# Allegro board 6089-103-RevB_76.brd (continued)
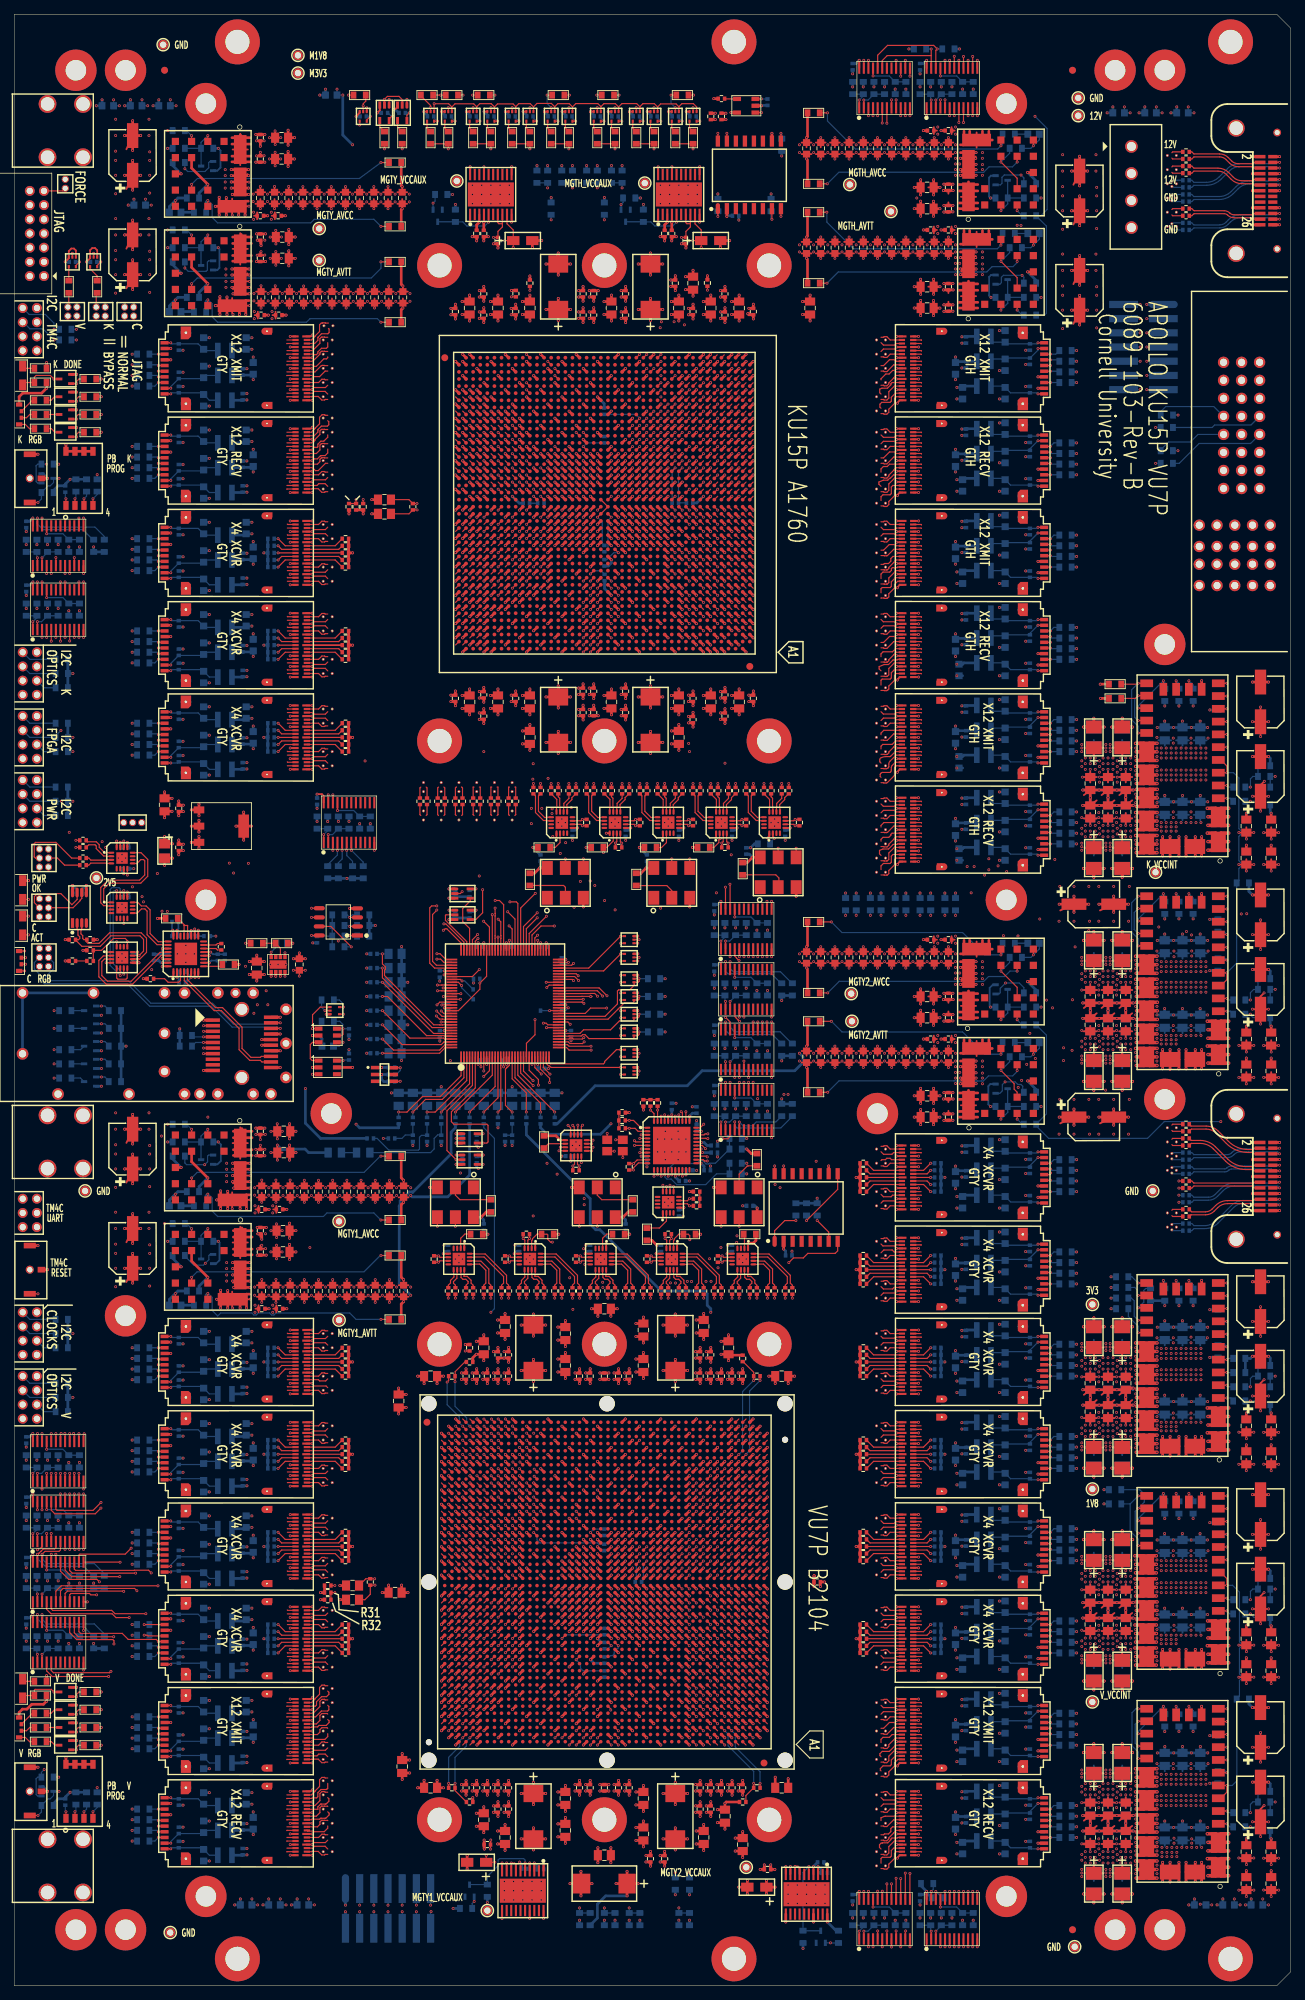
[diagram p0: board, top side]
## Routing (per net, layer and track width the routed paths; a pad name or vN(x,y) marks a point on that pad's centre or on a via; arc(x,y) is an arc through that point) (continued)
  vias: v1(150.5,90.5) v1(150.5,90) v1(150.5,89.5) v1(150.5,88.1) v1(150.5,87.3) v1(150.5,85.8) v1(151,88.5) v1(151,87.7) v1(151,86.9) v1(151.7,88.5) v1(151.7,87.7) v1(151.7,86.9) v1(152.4,88.5) v1(152.4,87.7) v1(152.4,86.9) v1(152.9,86.5) v1(152.9,85.8) v1(152.9,85.1) v1(153,88.1) v1(153,87.3) v1(153.5,88.5) v1(153.5,87.7) v1(153.5,86.9) v1(153.9,90.5) v1(153.9,90) v1(153.9,89.5) v1(154.2,88.5) v1(154.2,87.7) v1(154.2,86.9) v1(154.5,90.5) v1(154.5,90) v1(154.5,89.5) v1(154.9,88.5) v1(154.9,87.7) v1(154.9,86.9) v1(155.4,86.5) v1(155.4,85.8) v1(155.4,85.1) v1(155.5,88.1) v1(155.5,87.3) v1(156,88.5) v1(156,87.7) v1(156,86.9) v1(156.7,88.5) v1(156.7,87.7) v1(156.7,86.9) v1(157.4,88.5) v1(157.4,87.7) v1(157.4,86.9) v1(158.1,89.9) v1(158.1,88.7) v1(158.1,86.7) v1(158.1,85.5) v1(161.1,91.3) v1(161.1,89.9) v1(161.1,88.7) v1(161.1,86.7) v1(161.1,85.5) v1(161.7,89.8) v1(161.7,89.1) v1(161.7,88.4) v1(161.7,86.8) v1(161.7,86.1) v1(161.7,85.4) v1(162.4,89.8) v1(162.4,89.1) v1(162.4,88.4) v1(162.4,86.8) v1(162.4,86.1) v1(162.4,85.4) v1(163.1,89.8) v1(163.1,89.1) v1(163.1,88.4) v1(163.1,86.8) v1(163.1,86.1) v1(163.1,85.4) v1(163.4,91.3) v1(163.4,90.6) v1(163.8,89.8) v1(163.8,89.1) v1(163.8,88.4) v1(163.8,86.8) v1(163.8,86.1) v1(163.8,85.4) v1(164.5,89.8) v1(164.5,89.1) v1(164.5,88.4) v1(164.5,86.8) v1(164.5,86.1) v1(164.5,85.4) v1(165.2,89.8) v1(165.2,89.1) v1(165.2,88.4) v1(165.2,86.8) v1(165.2,86.1) v1(165.2,85.4) v1(165.9,91.4) v1(165.9,90.6) v1(165.9,89.8) v1(165.9,89.1) v1(165.9,88.4) v1(165.9,86.8) v1(165.9,86.1) v1(165.9,85.4) v1(166.6,89.8) v1(166.6,89.1) v1(166.6,88.4) v1(166.6,86.8) v1(166.6,86.1) v1(166.6,85.4) v1(167.3,89.8) v1(167.3,89.1) v1(167.3,88.4) v1(167.3,86.8) v1(167.3,86.1) v1(167.3,85.4) v1(168.2,91.3)
VCC_3V3_1V8_SCL: length 125.9
  TOP w0.165: 169.75,95.42 v1(170.95,95.42) ; 102.22,146.1 v1(102.22,145)
  SIG1 w0.079: v1(170.95,95.42) 169.7,96.68 169.7,143.57 166.34,146.93 165.83,146.93 165.25,147.5 v1(165.25,148.54) ; v1(102.22,145) 102.22,145.26 106.11,149.15 120.52,149.15 v1(122.2,150.83)
  SIG4 w0.079: v1(122.2,150.83) 124.21,148.82 145.49,148.82 146.46,147.85 150.52,147.85 150.52,147.85 150.98,147.85 150.98,147.85 153.42,147.85 153.42,147.85 153.88,147.85 153.88,147.85 154.52,147.85 154.52,147.85 154.98,147.85 154.98,147.85 157.42,147.85 157.42,147.85 157.88,147.85 157.88,147.85 163.63,147.85 164.32,148.54 v1(165.25,148.54)
  BOTTOM w0.165: R395.1 v1(122.2,150.83)
VCC_3V3_1V8_SDA: length 126.1
  TOP w0.165: 169.75,97.22 v1(170.95,97.22) ; v1(102.19,144.46) 102.19,144.46 102.19,144.49 102.09,144.58 102.05,144.58 101.81,144.83 101.81,144.86 101.58,145.1 U91.4
  SIG1 w0.079: v1(102.19,144.46) 102.19,144.47 101.86,144.8 101.86,145.38 105.97,149.49 119.36,149.49 v1(120.7,150.83) ; v1(170.95,97.22) 170.59,97.59 170.59,144.11 166.63,148.07 166.62,148.06 v1(165.97,148.06)
  SIG3 w0.079: v1(165.97,148.06) 165.55,147.65 157.79,147.65 157.79,147.65 157.51,147.65 157.5,147.65 154.9,147.65 154.89,147.65 154.61,147.65 154.61,147.65 153.79,147.65 153.79,147.65 153.51,147.65 153.5,147.65 150.9,147.65 150.89,147.65 150.61,147.65 150.61,147.65 146.27,147.65 145.05,148.86 122.67,148.86 v1(120.7,150.83)
  BOTTOM w0.165: R398.1 v1(120.7,150.83)
VCC_3V3_PG: length 139.9
  TOP w0.165: v1(75.53,128.46) 74.6,129.39 U52.30
  SIG1 w0.079: v1(147.92,130.37) 147.92,129.39 152.76,124.56 153.16,124.56 156.2,121.52 156.2,111.9 169,99.1 169,94.9 173.72,90.18 173.72,82.95 v1(174.27,82.4)
  SIG2 w0.079: v1(147.92,130.37) 147.49,129.93 143.17,129.93 142.89,130.2 142.59,130.2 142.31,129.93 103.03,129.93 102.93,129.83 100.12,129.83 100.01,129.95 77.02,129.95 v1(75.53,128.46)
  BOTTOM w0.165: R203.2 R204.1 174.84,82.4 v1(174.27,82.4) R222.2
VCC_3V3_PWR_EN: length 127.5
  TOP w0.165: U72.4 v1(85.49,139.9) ; 169.75,86.42 v1(170.95,86.42)
  SIG1 w0.079: v1(145.51,138.88) 145.51,130.4 154.66,121.26 154.66,111.54 167.2,99 167.2,95.4 170.38,92.22 170.38,87 v1(170.95,86.42)
  SIG4 w0.079: v1(145.51,138.88) 144.78,139.62 132.6,139.62 132.48,139.51 130.92,139.51 130.68,139.74 120.34,139.74 119.4,138.8 115.27,138.8 114.32,139.74 98.48,139.74 97.6,140.62 86.22,140.62 85.5,139.9 v1(85.49,139.9)
  BOTTOM w0.165: v1(170.95,86.42) 170.98,86.4 R220.1
VCC_12V: length 765.6
  TOP w0.254: 176.3,132.49 C471.1 ; C471.1 178.1,132.49 ; C471.1 177.2,131.74 ; C471.1 177.2,133.24 ; C478.1 177.2,14.24 ; C478.1 176.3,13.49 ; C478.1 178.1,13.49 ; C478.1 177.2,12.74 ; 166.45,14.79 U126.28 166.45,17.26 ; C356.1 130.36,122.4 ; C356.1 129.61,123.3 ; C356.1 129.61,121.5 ; 31.87,242.52 U16.1 ; U16.1 31.87,246.94 ; U16.1 30.8,244.73 ; U16.1 32.94,244.73 ; 175.7,21.17 C468.1 ; C468.1 175.7,24.9 v1(176.2,25.4) ; C468.1 176.68,23.1 ; C468.1 174.72,23.1 ; C21.1 34.7,244.28 ; C21.1 35.18,243.85 ; C21.1 34.22,243.85 ; 34.22,119.95 C22.1 ; C22.1 35.18,119.95 ; C22.1 34.7,119.52 ; U17.1 31.87,120.94 ; U17.1 30.8,118.73 ; U17.1 31.87,116.52 ; U17.1 32.94,118.73 ; 174.72,148.1 C461.1 ; C461.1 175.7,146.17 ; C461.1 v1(175.7,150.18) ; C461.1 176.68,148.1 ; v1(176.2,85.4) 175.7,84.9 C464.1 ; C473.1 177.2,78.74 ; C473.1 177.2,77.24 ; C473.1 176.3,77.99 ; C473.1 178.1,77.99 ; C477.1 177.2,18.74 ; C477.1 178.1,17.99 ; C477.1 176.3,17.99 ; C477.1 177.2,17.24 ; U18.1 32.94,104.73 ; U18.1 31.87,106.94 ; U18.1 31.87,102.52 ; U18.1 30.8,104.73 ; 131.7,124.52 C379.1 ; C40.1 37.54,260.4 ; C40.1 36.79,261.3 ; C40.1 36.04,260.4 ; C40.1 36.79,259.5 ; C380.1 131.7,123.28 ; C466.1 175.7,54.9 v1(176.2,55.4) ; C466.1 176.68,53.1 ; C466.1 175.7,51.17 ; C466.1 174.72,53.1 ; 31.87,256.52 U15.1 ; U15.1 32.94,258.73 ; U15.1 30.8,258.73 ; U15.1 31.87,260.94 ; C25.1 34.7,104.28 ; C25.1 34.22,103.85 ; C25.1 35.18,103.85 ; 173.7,17.24 C457.1 ; C457.1 173.7,18.74 ; C457.1 172.8,17.99 ; C457.1 174.6,17.99 ; 166.45,47.26 U125.28 166.45,44.79 ; 175.7,81.17 C464.1 ; C464.1 176.68,83.1 ; C464.1 174.72,83.1 ; 177.2,42.74 C476.1 ; C476.1 176.3,43.49 ; C476.1 177.2,44.24 ; C476.1 178.1,43.49 ; 34.22,117.85 C23.1 ; C23.1 34.7,118.28 ; C23.1 35.18,117.85 ; 173.7,42.74 C456.1 ; C456.1 174.6,43.49 ; C456.1 172.8,43.49 ; C456.1 173.7,44.24 ; 172.8,162.49 C449.1 ; C449.1 174.6,162.49 ; C449.1 173.7,163.24 ; C449.1 173.7,161.74 ; 128.86,125.4 C355.1 ; C462.1 175.7,139.4 v1(176.2,139.9) ; C462.1 175.7,135.67 ; C462.1 176.68,137.6 ; C462.1 174.72,137.6 ; C352.1 129.61,237.3 ; C352.1 129.61,235.5 ; C352.1 130.36,236.4 ; 170.98,161.18 U122.1 168.52,161.18 ; 175.7,91.67 C463.1 ; C463.1 176.68,93.6 ; C463.1 174.72,93.6 ; C463.1 v1(175.7,95.68) ; C17.1 34.7,258.28 ; C17.1 35.18,257.85 ; C17.1 34.22,257.85 ; v1(175.7,65.68) C465.1 ; C465.1 176.68,63.6 ; C465.1 175.7,61.67 ; C465.1 174.72,63.6 ; C458.1 174.6,13.49 ; C458.1 172.8,13.49 ; C458.1 173.7,14.24 ; C458.1 173.7,12.74 ; 129.61,135.5 C354.1 ; C354.1 129.61,137.3 ; C354.1 130.36,136.4 ; 36.89,242.5 C43.1 ; C43.1 36.89,244.3 ; C43.1 36.14,243.4 ; C43.1 37.64,243.4 ; 176.3,157.99 C470.1 ; C470.1 178.1,157.99 ; C470.1 177.2,158.74 ; C470.1 177.2,157.24 ; 172.8,157.99 C450.1 ; C450.1 173.7,158.74 ; C450.1 174.6,157.99 ; C450.1 173.7,157.24 ; C47.1 37.84,117.4 ; C47.1 36.34,117.4 ; C47.1 37.09,118.3 ; C47.1 37.09,116.5 ; 177.2,47.24 C475.1 ; C475.1 178.1,47.99 ; C475.1 176.3,47.99 ; C475.1 177.2,48.74 ; 173.7,131.74 C451.1 ; C451.1 173.7,133.24 ; C451.1 172.8,132.49 ; C451.1 174.6,132.49 ; 166.45,161.76 U122.28 166.45,159.29 ; 135.6,124.07 U121.1 133.47,124.07 ; 36.24,103.4 C45.1 ; C45.1 37.74,103.4 ; C45.1 36.99,102.5 ; C45.1 36.99,104.3 ; C460.1 176.68,167.6 ; C460.1 175.7,169.18 v1(176.24,169.72) ; C460.1 174.72,167.6 ; C460.1 175.7,165.67 ; 34.7,105.52 C24.1 34.22,105.95 ; 175.7,176.17 C459.1 ; C459.1 174.72,178.1 ; C459.1 176.68,178.1 ; C459.1 v1(175.7,180.18) ; 149.32,234.17 C382.1 ; 37.09,119.5 C46.1 ; C46.1 37.84,120.4 ; C46.1 37.09,121.3 ; C46.1 36.34,120.4 ; 131.7,238.52 C371.1 ; 168.52,76.67 U124.1 170.98,76.67 ; C455.1 174.6,47.99 ; C455.1 173.7,47.24 ; C455.1 172.8,47.99 ; C455.1 173.7,48.74 ; 176.3,162.49 C469.1 ; C469.1 178.1,162.49 ; C469.1 177.2,163.24 ; C469.1 177.2,161.74 ; C454.1 173.7,74.24 ; C454.1 172.8,73.49 ; C454.1 173.7,72.74 ; C454.1 174.6,73.49 ; C42.1 37.64,246.4 ; C42.1 36.14,246.4 ; C42.1 36.89,245.5 ; C42.1 36.89,247.3 ; 172.8,127.99 C452.1 ; C452.1 173.7,128.74 ; C452.1 174.6,127.99 ; C452.1 173.7,127.24 ; 133.47,238.07 U119.1 135.6,238.07 ; C44.1 37.74,106.4 ; C44.1 36.99,107.3 ; C44.1 36.24,106.4 ; C44.1 36.99,105.5 ; C376.1 131.7,137.28 ; 149.32,248.17 C381.1 ; 15.82,113.17 C7.1 ; C453.1 174.6,77.99 ; C453.1 173.7,78.74 ; C453.1 173.7,77.24 ; C453.1 172.8,77.99 ; 34.7,245.52 C20.1 34.22,245.95 ; 177.2,127.24 C472.1 ; C472.1 176.3,127.99 ; C472.1 177.2,128.74 ; C472.1 178.1,127.99 ; C474.1 178.1,73.49 ; C474.1 177.2,74.24 ; C474.1 176.3,73.49 ; C474.1 177.2,72.74 ; 15.82,239.17 C6.1 ; 15.82,253.17 C5.1 ; 135.6,138.07 U120.1 133.47,138.07 ; 36.79,256.5 C41.1 ; C41.1 36.04,257.4 ; C41.1 36.79,258.3 ; C41.1 37.54,257.4 ; 170.98,16.68 168.52,16.68 ; 147.47,151.52 C395.1 ; 129.61,249.5 C350.1 ; C350.1 129.61,251.3 ; C350.1 130.36,250.4 ; 135.6,252.07 U118.1 133.47,252.07 ; 168.52,46.67 U125.1 170.98,46.67 ; 131.7,252.52 C367.1 ; v1(175.7,35.68) C467.1 ; C467.1 176.68,33.6 ; C467.1 174.72,33.6 ; C467.1 175.7,31.67 ; 128.86,239.4 C351.1 ; 170.98,131.18 U123.1 168.52,131.18 ; 128.86,139.4 C353.1 ; 131.7,138.52 C375.1 ; 147.47,121.52 C398.1 ; C368.1 131.7,251.28 ; 15.82,99.17 C8.1 ; 166.45,129.29 U123.28 166.45,131.76 ; 166.45,74.79 U124.28 166.45,77.26 ; 34.22,259.95 C16.1 35.18,259.95 ; C372.1 131.7,237.28 ; 128.86,253.4 C349.1
  TOP w0.381: 33.53,117 32.23,117 ; 32.23,117 32.23,117.8 ; 32.23,117 30.9,117 ; 32.03,257.8 32.03,258.67 ; 32.03,257.8 30.7,257.8 ; 32.03,257.8 32.03,257 ; 32.03,257.8 33.33,257.8 ; 166.5,16.02 U126.28 165.2,16.02 ; 166.5,16.02 167.4,16.02 ; 166.5,16.02 v1(166.5,17.4) ; 166.5,16.02 v1(166.5,14.7) ; 129.6,250.39 v1(129.6,249.34) ; 129.6,250.39 129.61,250.4 C350.1 ; 129.6,250.39 v1(129.6,251.44) ; 129.6,250.39 v1(130.5,250.39) ; 134.53,126.18 134.53,125.8 ; 134.53,125.8 134.53,124.9 ; 134.53,125.8 133.2,125.8 ; 134.53,125.8 135.83,125.8 ; v1(17.83,101.1) C8.1 ; C8.1 v1(16.7,99.02) ; C8.1 v1(16.7,103.18) ; C8.1 v1(15.57,101.1) ; v1(130.5,236.39) 129.6,236.39 ; 129.6,236.39 v1(129.6,237.44) ; 129.6,236.39 v1(129.6,235.34) ; 129.6,236.39 129.61,236.4 C352.1 ; v1(165.2,47.4) 165.2,46.02 ; 165.2,46.02 U125.28 166.5,46.02 ; 165.2,46.02 v1(165.2,44.7) ; v1(17.83,115.1) C7.1 ; C7.1 v1(16.7,113.02) ; C7.1 v1(15.57,115.1) ; C7.1 v1(16.7,117.18) ; v1(165.2,131.9) 165.2,130.53 ; 165.2,130.53 v1(165.2,129.2) ; 165.2,130.53 U123.28 166.5,130.53 ; 134.53,124.9 135.83,124.9 ; 134.53,124.9 133.2,124.9 ; 32.23,103.8 32.23,104.67 ; 32.23,103.8 32.23,103 ; 32.23,103.8 33.53,103.8 ; 32.23,103.8 30.9,103.8 ; v1(131.06,136.85) C376.1 v1(132.34,136.85) ; 134.53,252.9 134.53,253.8 ; 134.53,252.9 133.2,252.9 ; 134.53,252.9 135.83,252.9 ; 134.53,253.8 134.53,254.18 ; 134.53,253.8 133.2,253.8 ; 134.53,253.8 135.83,253.8 ; v1(165.2,161.9) 165.2,160.53 ; 165.2,160.53 U122.28 166.5,160.53 ; 165.2,160.53 v1(165.2,159.2) ; U121.1 134.53,123.2 ; 134.53,123.2 133.2,123.2 ; 134.53,123.2 134.53,122.4 ; 134.53,123.2 135.83,123.2 ; 134.53,138.9 133.2,138.9 ; 134.53,138.9 134.53,139.8 ; 134.53,138.9 135.83,138.9 ; 129.6,136.39 129.61,136.4 C354.1 ; 129.6,136.39 v1(129.6,137.44) ; 129.6,136.39 v1(129.6,135.34) ; 129.6,136.39 v1(130.5,136.39) ; v1(166.5,129.2) 166.5,130.53 ; 166.5,130.53 167.4,130.53 ; 166.5,130.53 v1(166.5,131.9) ; 133.2,122.4 134.53,122.4 ; 134.53,122.4 135.83,122.4 ; 133.2,250.4 134.53,250.4 ; 134.53,250.4 134.53,251.2 ; 134.53,250.4 135.83,250.4 ; 166.5,160.53 167.4,160.53 ; 166.5,160.53 v1(166.5,161.9) ; 166.5,160.53 v1(166.5,159.2) ; 165.2,76.03 U124.28 166.5,76.03 ; 165.2,76.03 v1(165.2,74.7) ; 165.2,76.03 v1(165.2,77.4) ; 129.6,122.39 129.61,122.4 C356.1 ; 129.6,122.39 v1(130.5,122.39) ; 129.6,122.39 v1(129.6,123.44) ; 129.6,122.39 v1(129.6,121.34) ; C6.1 v1(16.7,243.18) ; C6.1 v1(17.83,241.1) ; C6.1 v1(15.57,241.1) ; C6.1 v1(16.7,239.02) ; 134.53,239.8 134.53,240.18 ; 134.53,239.8 134.53,238.9 ; 134.53,239.8 135.83,239.8 ; 134.53,239.8 133.2,239.8 ; 167.4,160.53 v1(167.4,159.2) ; 167.4,160.53 v1(167.4,161.9) ; 134.53,136.4 134.53,137.2 ; 134.53,136.4 135.83,136.4 ; 134.53,136.4 133.2,136.4 ; 134.53,137.2 U120.1 ; 134.53,137.2 135.83,137.2 ; 134.53,137.2 133.2,137.2 ; 167.4,46.02 166.5,46.02 ; 167.4,46.02 v1(167.4,44.7) ; 167.4,46.02 v1(167.4,47.4) ; 166.5,46.02 v1(166.5,44.7) ; 166.5,46.02 v1(166.5,47.4) ; 30.9,117.8 32.23,117.8 ; 32.23,117.8 32.23,118.67 ; 32.23,117.8 33.53,117.8 ; 165.2,16.02 v1(165.2,14.7) ; 165.2,16.02 v1(165.2,17.4) ; C381.1 v1(149.07,250.1) ; C381.1 v1(151.33,250.1) ; C381.1 v1(150.2,252.18) ; C381.1 v1(150.2,248.02) ; 135.83,251.2 134.53,251.2 ; 134.53,251.2 133.2,251.2 ; 134.53,251.2 U118.1 ; C355.1 v1(130.52,125.4) ; C355.1 v1(129.61,126.45) ; C355.1 v1(129.61,124.35) ; 33.33,259.5 32.03,259.5 ; 32.03,259.5 31.9,259.63 31.9,260.27 32.03,260.4 ; 32.03,259.5 30.7,259.5 ; 134.53,139.8 134.53,140.18 ; 134.53,139.8 135.83,139.8 ; 134.53,139.8 133.2,139.8 ; 34.8,245.95 v1(34.8,245.2) ; 30.9,105.5 32.23,105.5 ; 32.23,105.5 32.1,105.63 32.1,106.27 32.23,106.4 ; 32.23,105.5 33.53,105.5 ; 32.23,103 33.53,103 ; 32.23,103 30.9,103 ; v1(132.37,252.95) C367.1 v1(131,252.95) ; C382.1 v1(150.2,238.18) ; C382.1 v1(150.2,234.02) ; C382.1 v1(151.33,236.1) ; C382.1 v1(149.07,236.1) ; 32.03,260.4 31.9,260.53 31.9,260.78 ; 32.03,260.4 30.7,260.4 ; 32.03,260.4 33.33,260.4 ; v1(132.34,250.85) C368.1 v1(131.06,250.85) ; 33.53,106.4 32.23,106.4 ; 32.23,106.4 32.1,106.53 32.1,106.78 ; 32.23,106.4 30.9,106.4 ; 32.13,245.5 30.8,245.5 ; 32.13,245.5 32,245.63 32,246.27 32.13,246.4 ; 32.13,245.5 33.43,245.5 ; 30.9,120.4 32.23,120.4 ; 32.23,120.4 32.1,120.53 32.1,120.78 ; 32.23,120.4 32.1,120.27 32.1,119.63 32.23,119.5 ; 32.23,120.4 33.53,120.4 ; 133.2,236.4 134.53,236.4 ; 134.53,236.4 135.83,236.4 ; 134.53,236.4 134.53,237.2 ; v1(131,238.95) C371.1 v1(132.37,238.95) ; C398.1 v1(147.32,122.4) ; C398.1 v1(149.4,121.27) ; C398.1 v1(149.4,123.53) ; C398.1 v1(151.48,122.4) ; U31.1 v1(36.23,142.25) ; U119.1 134.53,237.2 ; 134.53,237.2 133.2,237.2 ; 134.53,237.2 135.83,237.2 ; C349.1 v1(129.61,254.45) ; C349.1 v1(130.52,253.4) ; C349.1 v1(129.61,252.35) ; v1(131,138.95) C375.1 v1(132.37,138.95) ; 167.4,16.02 v1(167.4,17.4) ; 167.4,16.02 v1(167.4,14.7) ; 33.43,243.8 32.13,243.8 ; 32.13,243.8 32.13,243 ; 32.13,243.8 32.13,244.67 ; 32.13,243.8 30.8,243.8 ; C5.1 v1(15.57,255.1) ; C5.1 v1(16.7,253.02) ; C5.1 v1(17.83,255.1) ; C5.1 v1(16.7,257.18) ; v1(166.5,74.7) 166.5,76.03 ; 166.5,76.03 167.4,76.03 ; 166.5,76.03 v1(166.5,77.4) ; 32,246.78 32,246.53 32.13,246.4 ; 167.4,130.53 v1(167.4,129.2) ; 167.4,130.53 v1(167.4,131.9) ; 34.9,105.95 v1(34.9,105.2) ; C15.1 v1(34.2,141.58) ; C15.1 v1(35.25,142.49) ; C15.1 33.22,142.49 33.22,142.49 v1(33.15,142.49) ; 32.13,243 33.43,243 ; 32.13,243 30.8,243 ; C395.1 v1(149.4,151.27) ; C395.1 v1(149.4,153.53) ; C395.1 v1(151.48,152.4) ; C395.1 v1(147.32,152.4) ; 134.53,238.9 133.2,238.9 ; 134.53,238.9 135.83,238.9 ; v1(131,124.95) C379.1 v1(132.37,124.95) ; 33.33,257 32.03,257 ; 32.03,257 30.7,257 ; v1(167.4,74.7) 167.4,76.03 ; 167.4,76.03 v1(167.4,77.4) ; C351.1 v1(129.61,240.45) ; C351.1 v1(130.52,239.4) ; C351.1 v1(129.61,238.35) ; v1(132.34,236.85) C372.1 v1(131.06,236.85) ; C16.1 v1(34.7,259.2) ; 32.23,119.5 33.53,119.5 ; 32.23,119.5 30.9,119.5 ; 33.43,246.4 32.13,246.4 ; 32.13,246.4 30.8,246.4 ; U31.2 v1(36.88,142.25) ; C353.1 v1(129.61,138.35) ; C353.1 v1(130.52,139.4) ; C353.1 v1(129.61,140.45) ; v1(131.06,122.85) C380.1 v1(132.34,122.85)
  TOP w0.5: 169.75,130.39 170.13,130 v1(171.21,130) ; 169.75,130.39 169.37,130.01 v1(168.29,130.01) ; 169.75,130.39 U123.1 169.75,131.22 ; v1(168.2,132.41) 169.38,132.41 169.75,132.04 ; v1(171.21,131.22) 169.75,131.22 ; 169.75,131.22 169.75,132.04 ; 169.75,131.22 v1(168.29,131.22) ; 169.75,132.04 170.13,132.42 v1(171.22,132.42) ; v1(171.21,45.51) 170.13,45.51 169.75,45.89 ; 169.75,75.89 170.13,75.5 v1(171.21,75.5) ; 169.75,75.89 169.37,75.51 v1(168.29,75.51) ; 169.75,75.89 U124.1 169.75,76.72 ; 169.75,15.89 170.13,15.51 v1(171.21,15.51) ; 169.75,15.89 169.37,15.51 v1(168.29,15.51) ; 169.75,15.89 169.75,16.71 ; 169.75,77.54 169.38,77.92 v1(168.2,77.92) ; 169.75,77.54 169.75,76.72 ; 169.75,77.54 170.13,77.92 v1(171.22,77.92) ; 169.75,46.72 169.75,47.54 ; 169.75,46.72 v1(171.21,46.72) ; 169.75,46.72 U125.1 169.75,45.89 ; 169.75,46.72 v1(168.29,46.72) ; 169.75,47.54 170.13,47.92 v1(171.22,47.92) ; 169.75,47.54 169.38,47.91 v1(168.2,47.91) ; v1(168.2,162.41) 169.38,162.41 169.75,162.04 ; 169.75,76.72 v1(171.21,76.72) ; 169.75,76.72 v1(168.29,76.72) ; 169.75,161.22 U122.1 169.75,160.39 ; 169.75,161.22 169.75,162.04 ; 169.75,161.22 v1(171.21,161.22) ; 169.75,161.22 v1(168.29,161.22) ; v1(171.21,16.71) 169.75,16.71 ; 169.75,16.71 169.75,17.54 ; 169.75,16.71 v1(168.29,16.71) ; 169.75,17.54 170.13,17.92 v1(171.22,17.92) ; 169.75,17.54 169.38,17.91 v1(168.2,17.91) ; v1(171.21,160) 170.13,160 169.75,160.39 ; 169.75,45.89 169.37,45.51 v1(168.29,45.51) ; 169.75,162.04 170.13,162.42 v1(171.22,162.42) ; v1(168.29,160.01) 169.37,160.01 169.75,160.39
  PWR3 w0.254: 166.09,197.3 P1.P1-9 ; P1.P1-9 167.81,196.56 ; P1.P1-9 168.05,197.3 ; P1.P1-9 166.33,198.04 ; P1.P1-9 167.81,198.04 ; P1.P1-9 167.07,198.28 ; P1.P1-9 166.33,196.56 ; P1.P1-9 167.07,196.32 ; J17.2 157.5,256.42 ; J17.2 158.31,256.16 ; J17.2 158.57,255.35 ; J17.2 156.69,256.16 ; J17.2 156.69,254.55 ; J17.2 158.31,254.55 ; J17.2 157.5,254.29 ; J17.2 156.43,255.35 ; 173.83,201.04 P1.P1-4 ; P1.P1-4 175.31,201.04 ; P1.P1-4 175.31,199.56 ; P1.P1-4 173.83,199.56 ; P1.P1-4 175.55,200.3 ; P1.P1-4 174.57,201.28 ; P1.P1-4 173.59,200.3 ; P1.P1-4 174.57,199.32 ; P1.P1-10 168.05,200.3 ; P1.P1-10 167.81,199.56 ; P1.P1-10 166.33,201.04 ; P1.P1-10 167.07,201.28 ; P1.P1-10 166.09,200.3 ; P1.P1-10 167.81,201.04 ; P1.P1-10 166.33,199.56 ; P1.P1-10 167.07,199.32 ; 173.83,196.56 P1.P1-3 ; P1.P1-3 173.83,198.04 ; P1.P1-3 174.57,196.32 ; P1.P1-3 175.31,196.56 ; P1.P1-3 173.59,197.3 ; P1.P1-3 175.55,197.3 ; P1.P1-3 175.31,198.04 ; P1.P1-3 174.57,198.28 ; 156.43,259.17 157.5,259.17 ; 157.5,259.17 158.31,258.36 ; 157.5,259.17 157.5,258.1 ; 157.5,259.17 156.69,259.97 ; 157.5,259.17 158.57,259.17 ; 157.5,259.17 158.31,259.97 ; 157.5,259.17 156.69,258.36 ; 157.5,259.17 157.5,260.23 ; P1.P1-2 178.05,200.3 ; P1.P1-2 177.81,201.04 ; P1.P1-2 176.33,199.56 ; P1.P1-2 176.09,200.3 ; P1.P1-2 176.33,201.04 ; P1.P1-2 177.07,199.32 ; P1.P1-2 177.81,199.56 ; P1.P1-2 177.07,201.28 ; 171.33,199.56 P1.P1-6 ; P1.P1-6 172.07,199.32 ; P1.P1-6 172.07,201.28 ; P1.P1-6 173.05,200.3 ; P1.P1-6 172.81,199.56 ; P1.P1-6 171.09,200.3 ; P1.P1-6 171.33,201.04 ; P1.P1-6 172.81,201.04 ; 169.57,196.32 P1.P1-7 ; P1.P1-7 170.55,197.3 ; P1.P1-7 170.31,196.56 ; P1.P1-7 168.59,197.3 ; P1.P1-7 169.57,198.28 ; P1.P1-7 170.31,198.04 ; P1.P1-7 168.83,198.04 ; P1.P1-7 168.83,196.56 ; 177.07,196.32 P1.P1-1 ; P1.P1-1 176.33,196.56 ; P1.P1-1 177.81,196.56 ; P1.P1-1 178.05,197.3 ; P1.P1-1 177.07,198.28 ; P1.P1-1 176.33,198.04 ; P1.P1-1 176.09,197.3 ; P1.P1-1 177.81,198.04 ; PM13.1 150.67,262.83 ; PM13.1 150.88,263.5 ; PM13.1 150.67,264.17 ; PM13.1 150,262.62 ; PM13.1 149.33,264.17 ; PM13.1 149.12,263.5 ; PM13.1 150,264.38 ; PM13.1 149.33,262.83 ; P1.P1-5 172.07,198.28 ; P1.P1-5 172.81,196.56 ; P1.P1-5 173.05,197.3 ; P1.P1-5 171.33,196.56 ; P1.P1-5 172.81,198.04 ; P1.P1-5 172.07,196.32 ; P1.P1-5 171.09,197.3 ; P1.P1-5 171.33,198.04 ; 168.59,200.3 P1.P1-8 ; P1.P1-8 169.57,199.32 ; P1.P1-8 168.83,201.04 ; P1.P1-8 169.57,201.28 ; P1.P1-8 170.31,199.56 ; P1.P1-8 170.55,200.3 ; P1.P1-8 168.83,199.56 ; P1.P1-8 170.31,201.04
  PWR4 w0.254: 167.07,196.32 P1.P1-9 ; P1.P1-9 166.33,196.56 ; P1.P1-9 167.07,198.28 ; P1.P1-9 166.33,198.04 ; P1.P1-9 167.81,198.04 ; P1.P1-9 167.81,196.56 ; P1.P1-9 168.05,197.3 ; P1.P1-9 166.09,197.3 ; P1.P1-8 170.55,200.3 ; P1.P1-8 169.57,201.28 ; P1.P1-8 168.83,199.56 ; P1.P1-8 170.31,201.04 ; P1.P1-8 169.57,199.32 ; P1.P1-8 168.83,201.04 ; P1.P1-8 168.59,200.3 ; P1.P1-8 170.31,199.56 ; P1.P1-3 174.57,198.28 ; P1.P1-3 173.59,197.3 ; P1.P1-3 175.31,198.04 ; P1.P1-3 173.83,198.04 ; P1.P1-3 174.57,196.32 ; P1.P1-3 173.83,196.56 ; P1.P1-3 175.55,197.3 ; P1.P1-3 175.31,196.56 ; P1.P1-10 167.81,201.04 ; P1.P1-10 167.07,199.32 ; P1.P1-10 167.07,201.28 ; P1.P1-10 167.81,199.56 ; P1.P1-10 166.09,200.3 ; P1.P1-10 168.05,200.3 ; P1.P1-10 166.33,199.56 ; P1.P1-10 166.33,201.04 ; 172.07,196.32 P1.P1-5 ; P1.P1-5 172.81,196.56 ; P1.P1-5 173.05,197.3 ; P1.P1-5 172.07,198.28 ; P1.P1-5 171.09,197.3 ; P1.P1-5 172.81,198.04 ; P1.P1-5 171.33,196.56 ; P1.P1-5 171.33,198.04 ; P1.P1-6 173.05,200.3 ; P1.P1-6 172.81,199.56 ; P1.P1-6 172.07,199.32 ; P1.P1-6 171.33,199.56 ; P1.P1-6 172.07,201.28 ; P1.P1-6 172.81,201.04 ; P1.P1-6 171.33,201.04 ; P1.P1-6 171.09,200.3 ; P1.P1-7 170.55,197.3 ; P1.P1-7 170.31,198.04 ; P1.P1-7 168.59,197.3 ; P1.P1-7 168.83,198.04 ; P1.P1-7 170.31,196.56 ; P1.P1-7 169.57,198.28 ; P1.P1-7 169.57,196.32 ; P1.P1-7 168.83,196.56 ; 176.33,196.56 P1.P1-1 ; P1.P1-1 177.07,196.32 ; P1.P1-1 177.81,198.04 ; P1.P1-1 177.07,198.28 ; P1.P1-1 178.05,197.3 ; P1.P1-1 177.81,196.56 ; P1.P1-1 176.33,198.04 ; P1.P1-1 176.09,197.3 ; P1.P1-2 178.05,200.3 ; P1.P1-2 177.07,201.28 ; P1.P1-2 176.09,200.3 ; P1.P1-2 177.81,199.56 ; P1.P1-2 177.81,201.04 ; P1.P1-2 176.33,201.04 ; P1.P1-2 177.07,199.32 ; P1.P1-2 176.33,199.56 ; P1.P1-4 175.31,201.04 ; P1.P1-4 174.57,201.28 ; P1.P1-4 175.31,199.56 ; P1.P1-4 174.57,199.32 ; P1.P1-4 173.83,201.04 ; P1.P1-4 175.55,200.3 ; P1.P1-4 173.83,199.56 ; P1.P1-4 173.59,200.3
  BOTTOM w0.381: R590.1 v1(21.63,258.9) ; R599.1 v1(21.63,104.9) ; R596.1 v1(21.63,118.9) ; R593.1 v1(21.63,244.9) ; R320.1 v1(144.77,137.9) ; R534.1 41.5,117.4 41,117.9 39.51,117.9 39.44,117.83 37.73,117.83 v1(37.1,118.45) ; R323.1 v1(144.77,123.9) ; R314.1 v1(144.77,251.9) ; R317.1 v1(144.77,237.9)
  vias: v1(14.3,257.2) v1(14.3,255.1) v1(14.3,252.5) v1(14.3,243.2) v1(14.3,241.1) v1(14.3,238.5) v1(14.3,117.2) v1(14.3,115.1) v1(14.3,112.5) v1(14.3,103.2) v1(14.3,101.1) v1(14.3,98.5) v1(19.1,257.2) v1(19.1,255.1) v1(19.1,252.6) v1(19.1,243.2) v1(19.1,241.1) v1(19.1,238.6) v1(19.1,117.2) v1(19.1,115.1) v1(19.1,112.6) v1(19.1,103.2) v1(19.1,101.1) v1(19.1,98.6) v1(34.06,119.95) v1(34.06,117.86) v1(34.16,259.95) v1(34.16,257.84) v1(34.27,245.96) v1(34.26,243.84) v1(34.37,105.95) v1(34.35,103.84) v1(34.7,258.34) v1(34.71,119.23) v1(34.7,118.43) v1(34.8,244.34) v1(34.9,104.34) v1(35.23,259.96) v1(35.23,257.86) v1(35.33,245.96) v1(35.33,243.86) v1(35.34,117.86) v1(35.4,119.95) v1(35.43,105.96) v1(35.43,103.86) v1(35.99,260.39) v1(35.98,257.4) v1(36.09,246.4) v1(36.09,243.41) v1(36.19,120.39) v1(36.19,117.41) v1(36.19,106.39) v1(36.19,103.41) v1(36.77,261.35) v1(36.8,259.44) v1(36.78,258.35) v1(36.78,256.44) v1(36.88,247.34) v1(36.9,245.44) v1(36.88,244.34) v1(36.88,242.44) v1(36.98,107.34) v1(37,105.44) v1(36.98,104.34) v1(36.98,102.44) v1(37.09,121.45) v1(37.1,119.34) v1(37.11,116.35) v1(37.58,260.4) v1(37.57,257.4) v1(37.68,246.41) v1(37.67,243.4) v1(37.78,120.41) v1(37.78,106.41) v1(37.77,103.4) v1(147.3,150) v1(147.3,120) v1(147.4,154.9) v1(147.4,124.9) v1(147.8,252.2) v1(147.8,250.1) v1(147.8,247.5) v1(147.8,238.2) v1(147.8,236.1) v1(147.8,233.5) v1(149.4,154.9) v1(149.4,150) v1(149.4,124.9) v1(149.4,120) v1(151.5,154.9) v1(151.5,124.9) v1(151.6,150) v1(151.6,120) v1(152.6,252.2) v1(152.6,250.1) v1(152.6,247.6) v1(152.6,238.2) v1(152.6,236.1) v1(152.6,233.6) v1(172.65,162.5) v1(172.65,157.98) v1(172.65,132.5) v1(172.65,127.98) v1(172.65,78) v1(172.65,73.48) v1(172.65,48.01) v1(172.65,43.48) v1(172.65,18) v1(172.65,13.48) v1(173.72,161.59) v1(173.7,157.09) v1(173.72,131.59) v1(173.7,127.08) v1(173.72,77.08) v1(173.7,72.58) v1(173.72,47.09) v1(173.7,42.59) v1(173.72,17.09) v1(173.7,12.59) v1(174.56,178.11) v1(174.57,167.61) v1(174.56,148.11) v1(174.57,137.61) v1(174.56,93.61) v1(174.57,83.11) v1(174.56,63.61) v1(174.57,53.11) v1(174.56,33.61) v1(174.57,23.11) v1(174.75,162.5) v1(174.75,157.99) v1(174.75,132.5) v1(174.75,127.98) v1(174.75,78) v1(174.75,73.48) v1(174.75,48) v1(174.75,43.48) v1(174.75,18) v1(174.75,13.48) v1(175.71,176.01) v1(175.71,165.51) v1(175.71,146.01) v1(175.71,135.51) v1(175.71,91.52) v1(175.71,81.02) v1(175.71,61.52) v1(175.71,51.02) v1(175.71,31.52) v1(175.71,21.02) v1(176.14,162.48) v1(176.15,158) v1(176.14,132.48) v1(176.15,128) v1(176.14,77.98) v1(176.15,73.5) v1(176.14,47.98) v1(176.15,43.49) v1(176.14,17.98) v1(176.15,13.49) v1(176.83,178.11) v1(176.83,167.6) v1(176.83,148.11) v1(176.83,137.6) v1(176.83,93.61) v1(176.83,83.1) v1(176.83,63.61) v1(176.83,53.1) v1(176.83,33.61) v1(176.83,23.1) v1(177.21,161.58) v1(177.21,157.08) v1(177.21,131.58) v1(177.21,127.08) v1(177.21,77.08) v1(177.21,72.58) v1(177.21,47.08) v1(177.21,42.58) v1(177.21,17.08) v1(177.21,12.58) v1(178.25,162.48) v1(178.25,132.48) v1(178.25,77.98) v1(178.25,47.98) v1(178.25,17.98) v1(178.25,157.98) v1(178.25,127.98) v1(178.25,73.48) v1(178.25,43.48) v1(178.25,13.48)
